# Altium PCB Drive Board.PcbDoc (part 2 of 2)
Units mil, origin at the board's own origin, x right, y up, seen from the top; angles counter-clockwise.
Board outline 16141.73 x 6299.21 mil, 2 copper layers (Top Layer, Bottom Layer), stack 61.2 mil thick; 231 components, 215 nets, 894 pads, 287 vias.
Unrouted connection lines stored in the file: 57.
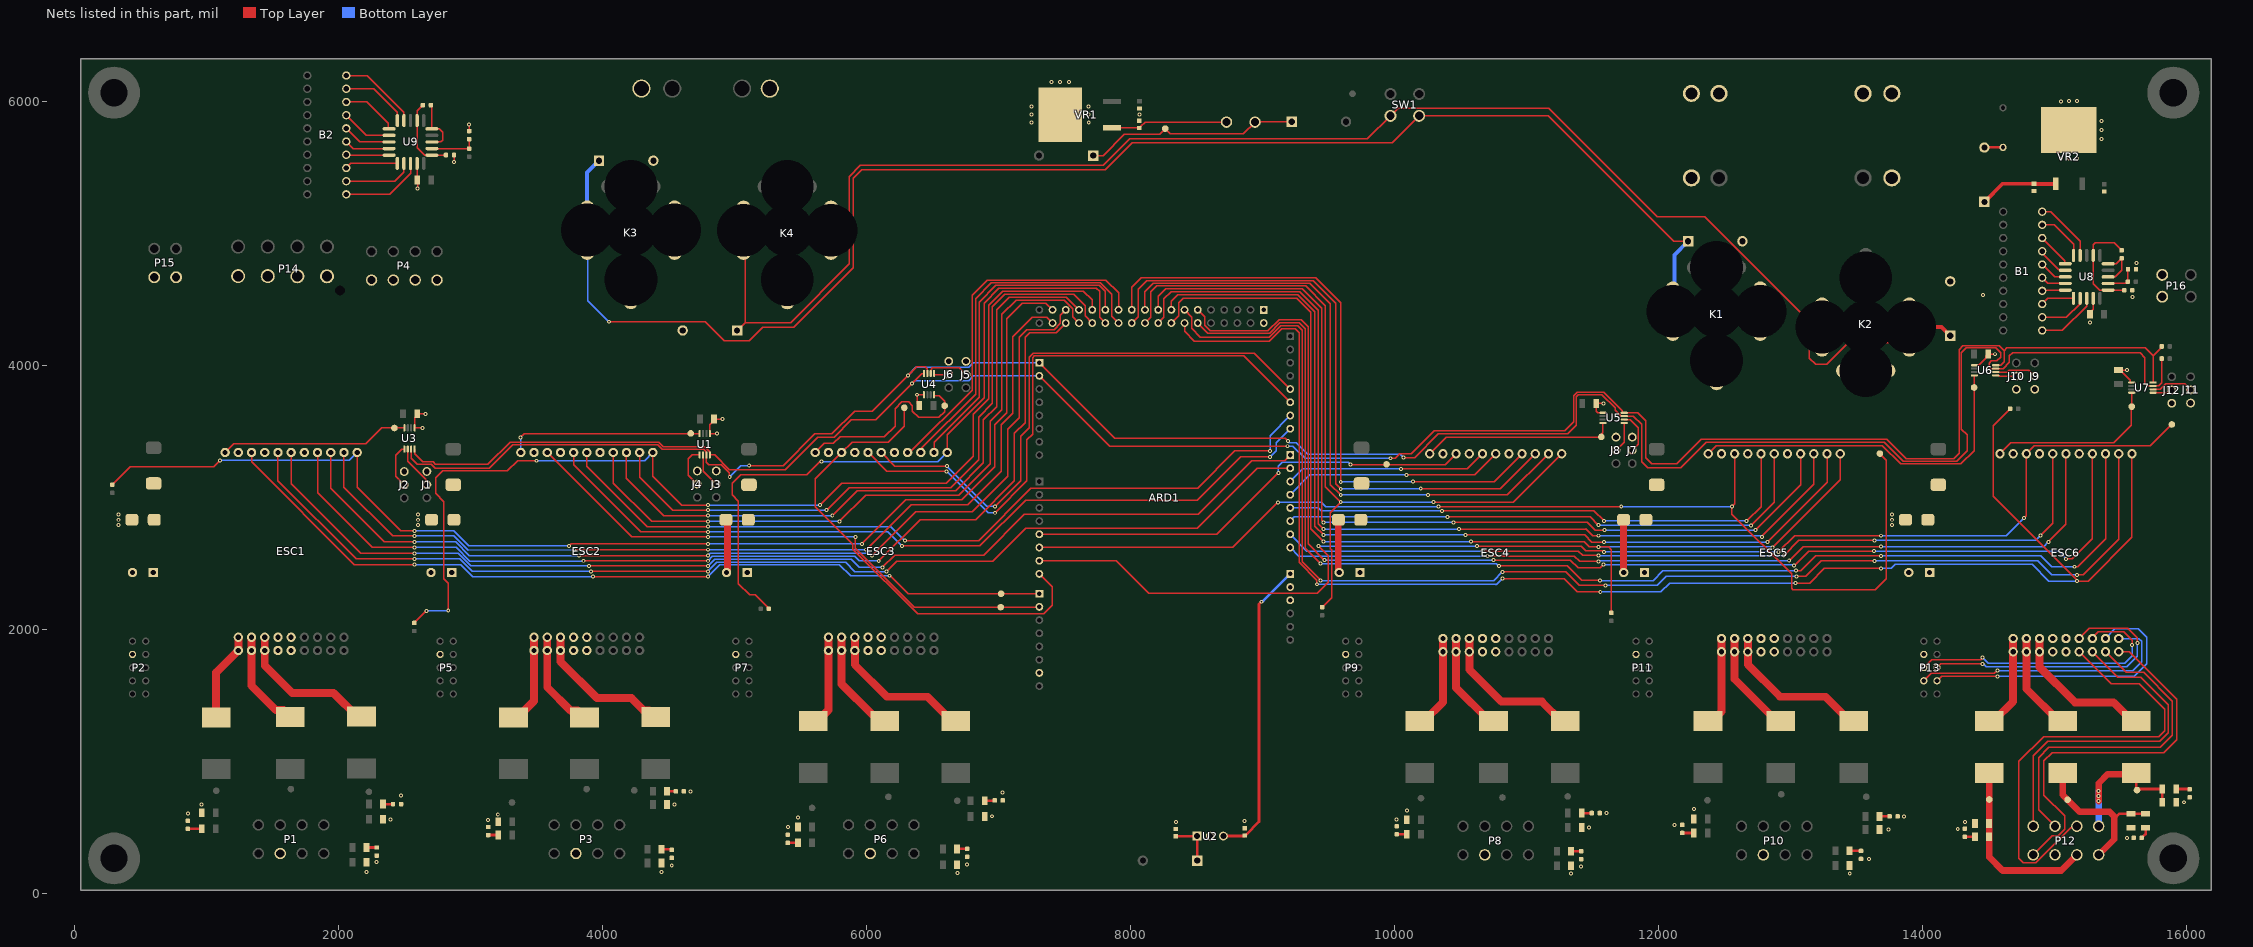
[diagram p2: the nets of this part, all layers, seen from the top]

## Via types
v1: diameter 30, hole 15, Top Layer to Bottom Layer, tented both sides, 283 vias
v2: diameter 118.11, hole 118.11, Top Layer to Bottom Layer, 4 vias

## Nets (pads, with @x,y where several pads share a name; then routed paths per layer and width w, separated by ;. In a path a pad name is that pad's centre, name@x,y a point inside that pad or via, vN(x,y) a via of type N, cw(c..) or ccw(c..) an arc to the next point about the centre after c; other vN are vias at no path point) (continued)
"E6 Ch A": ESC6.12 P13.6 | length 2246
  Top Layer w10: P13.6@14110,1710 14138,1738 v1@14460,1738 ; ESC6.12@15156.84,1930 15185,1930 15264,2009 15555,2009 15628,1936 v1(15628,1895)
  Bottom Layer w10: v1@14460,1738 14482,1716 15548,1716 15628,1796 v1(15628,1895)
  other v1: 14456,1738
"E6 Ch A\": ESC6.14 P13.5 | length 2147.3
  Top Layer w10: P13.5@14010,1710 14069.44,1769.44 14439.44,1769.44 v1(14456,1786) ; ESC6.14@15256.84,1930 15281,1930 15333,1982 15524,1982 15588,1918 v1(15588,1880)
  Bottom Layer w10: v1(14456,1786) 14498,1744 15532,1744 15588,1800 v1(15588,1880)
"E6 Ch B": ESC6.16 P13.8 | length 2239.9
  Top Layer w10: P13.8@14110,1610 14144,1644 v1(14567,1644) v1@14570,1644
  Bottom Layer w10: v1@14570,1644 15604,1644 15698,1738 15698,1939 15634,2003 15458,2003 15385,1930 ESC6.16@15356.84,1930
"E6 Ch B\": ESC6.18 P13.7 | length 2075.3
  Top Layer w10: P13.7@14010,1610 14066,1666 14545,1666 v1(14567,1688)
  Bottom Layer w10: v1(14567,1688) 15592,1688 15660,1756 15660,1909 15639,1930 ESC6.18@15486.84,1930 ESC6.18@15456.84,1930
"E6 H1": ESC6.13 P12.1 | length 2583.1
  Top Layer w10: P12.1@14838.81,508.27 14838.81,1040.81 14949,1151 15798,1151 15862,1215 15862,1429 15655,1636 15480.84,1636 ESC6.13@15286.84,1830
"E6 H2": ESC6.15 P12.2 | length 2573.7
  Top Layer w10: P12.2@15004.16,508.27 14880,632.43 14880,1029 14956,1105 15800,1105 15893,1198 15893,1455 15675,1673 15543.84,1673 ESC6.15@15386.84,1830
"E6 H3": ESC6.17 P12.5 | length 2865.4
  Top Layer w10: P12.5@14838.81,291.73 14984.07,437 15029,437 15076,484 15076,586 14920,742 14920,1003 14983,1066 15826,1066 15925,1165 15925,1471 15566,1830 ESC6.17@15486.84,1830
"E6 H Vcc": ESC6.11 P12.3 | length 3494.8
  Top Layer w10: P12.3@15169.51,508.27 15156.41,495.16 15121.86,495.16 14856.7,230 14765,230 14731,264 14731,1001 14918,1188 15790.56,1188 15834,1231.44 15834,1396 15643,1587 15429.84,1587 ESC6.11@15186.84,1830
"E6 W1": C51.2 C52.2 L16.2 P12.7 TP28.1 | length 1393.3
  Top Layer w50: L16.2@14507,913.15 14507,273 14607,173 15050.78,173 P12.7@15169.51,291.73
"E6 W2": C53.2 C54.2 L17.2 P12.8 TP31.1 | length 1200.3
  Top Layer w20: 15453,564 15492.15,603.15 C53.2@15580,603.15 C54.2@15690,603.15
  Top Layer w50: L17.2@15062.53,913.15 15062.53,745.47 TP31.1@15099,709 15191,617 15418,617 15453,582 ; P12.8@15334.87,291.73 15453,409.86 15453,564
"E6 W3": C55.2 C56.2 L18.2 P12.4 TP32.1 | length 1174.5
  Top Layer w20: L18.2@15620,913.15 15620,903 15620,787 15638.12,787 15641.12,790 C56.2@15816.85,790 C55.2@15816.85,690
  Top Layer w50: v1@15335,698 v1(15334.74,698.26) v1(15334.74,737.5) v1(15334.74,776.74) 15334.74,833.74 15404,903 15620,903 L18.2@15652,903
  Bottom Layer w50: P12.4@15334.87,508.27 v1@15334.87,776.74
GND: ARD1.57 ARD1.58 ARD1.76 ARD1.78 ARD1.79 C1.2 C2.2 C3.2 C4.2 C5.2 C6.1 C8.2 C9.1 C11.1 C13.1 C15.2 C16.2 C17.2 C18.1 C20.1 C21.1 C22.1 C24.1 C26.2 C27.1 C29.1 C30.1 C31.1 C33.1 C34.1 C35.2 C36.1 C38.1 C39.1 C40.1 C42.1 C44.2 C45.1 C47.1 C49.1 C51.1 C53.1 C55.1 D1.1 D5.1 D6.1 D7.1 D9.1 D10.1 D11.1 D12.1 D13.1 D14.1 ESC1.9 ESC1.10 ESC1.23 ESC1.26 ESC1.28 ESC2.9 ESC2.10 ESC2.23 ESC2.26 ESC2.28 ESC3.9 ESC3.10 ESC3.23 ESC3.26 ESC3.28 ESC4.9 ESC4.10 ESC4.23 ESC4.26 ESC4.28 ESC5.9 ESC5.10 ESC5.23 ESC5.26 ESC5.28 ESC6.9 ESC6.10 ESC6.23 ESC6.26 ESC6.28 J1.3 J2.3 J3.3 J4.3 J5.3 J6.3 J7.3 J8.3 J9.3 J10.3 J11.3 J12.3 K1.85 K2.85 K3.85 K4.85 P1.6 P2.3 P3.6 P4.5 P4.6 P4.7 P4.8 P5.3 P6.6 P7.3 P8.6 P9.3 P10.6 P11.3 P12.6 P13.3 P14.5 P14.6 P14.7 P14.8 P15.3 P15.4 P16.3 P16.4 R2.1 R3.1 R4.1 R5.1 R6.1 R9.1 R10.1 R11.1 R13.1 R14.1 R15.1 R17.1 R18.1 R19.1 R21.1 R22.1 R23.1 R25.1 R28.1 R30.1 R31.1 R33.1 TH7.1 TH8.1 TH11.1 TH12.1 U1.5 U2.2 U3.5 U4.5 U5.5 U6.5 U7.5 U8.2 U9.2 VR1.2 VR2.2 | length 2854.3
  Top Layer w10: U9.2@2596,5529.6 2596,5403.85 C34.1@2596.85,5403 2599,5400.85 v1(2599,5338) ; v1(2637.19,3526) 2636.48,3526.71 U3.5@2576.39,3526.71 2576.39,3601.43 2596.15,3621.19 C20.1@2596.15,3633 2659,3633 v1(2660,3632) ; R31.1@2875.51,5593 2875.51,5541.49 v1(2876,5541) ; R33.1@2990,5774.51 v1(2990,5823) ; v1(4869,3483) 4868.71,3482.71 U1.5@4813.39,3482.71 4813.39,3549.43 4845.15,3581.19 C21.1@4845.15,3593 4909,3593 v1(4910,3592) ; ESC3.26@5906,3345.84 ESC3.26@5911.84,3340 ; C39.1@6400.85,3695 6384.2,3711.65 6384.2,3728.13 6383,3729.32 v1(6383,3777) 6435.32,3777 U4.5@6435.61,3777.29 ; U5.5@11579.29,3640.39 11578.68,3641 11540,3641 11528.15,3652.85 C29.1@11528.15,3712 v1(11585,3712) ; U6.5@14393.29,4000.39 14427.39,4000.39 14480.5,4053.5 14480.5,4068.35 C30.1@14497.15,4085 14548,4085 v1(14549,4084) ; C33.1@15268.85,4389 15268.85,4398.17 15294,4423.32 U8.2@15294,4507.6 ; v1(15550,3966) 15548.15,3964.15 C38.1@15486,3964.15 15502.65,3947.5 15514.5,3947.5 15575.47,3886.53 15575.47,3872.16 15578.24,3869.39 U7.5@15585.29,3869.39
  Top Layer w50: D13.1@4935.35,2830 4947,2818.35 4947,2451.75 4943.99,2448.75 4943.99,2433.99 C17.2@4940,2430 ; D10.1@9575.35,2830 9575.35,2441.55 9581.26,2435.65 C26.2@9581.26,2430 ; D14.1@11735.35,2830 11735.35,2442.81 11742.52,2435.65 C35.2@11742.52,2430
  other v1: 11336,151 13449,151 6690,153 4448,160 2213,162 11414,203 4525,211 6762,217 2290,237 13594,261 15550,420 13741,483 14267,489 11475,498 5405,503 12120,518 14321,539 8344,541 8864,547 3134,554 2394,561 10017,561 5480,573 13861,583 6952,584 3207,599 859,606 11605,608 10095,628 12268,638 963,673 4546,673 15980,690 2474,741 7032,764 4666,773 333,2790 2603,2790 13769,2790 333,2830 2603,2830 13769,2830 333,2870 2603,2870 13769,2870 15269,4325 15591,4519 14460,4532 15620.24,4776.67 15048,5566.19 15109,5567.19 15171,5567.19 15356,5716.19 15356,5782.76 7250,5838 7684,5838 15356,5849.19 7249,5899 7683,5899 8067,5901 7249,5961 7683,5961 15048,6000.19 15109,6001.19 15171,6001.19 7401,6146 7467.43,6146 7534,6146
NetARD1_4: ARD1.4 ESC4.27 TP20.1 | length 3452.3
  Top Layer w10: ARD1.4@7310,2720 8654,2720 v1(9120,3186) ; v1(9666,3249) 9667,3248 10384.84,3248 ESC4.27@10466.84,3330
  Bottom Layer w10: v1(9120,3186) 9120,3235 9150,3265 9650,3265 v1(9666,3249)
NetARD1_5: ARD1.5 ESC5.27 TP25.1 | length 8347.7
  Top Layer w10: ARD1.5@7310,2620 8773.94,2620 v1(9116.47,2962.53) ; v1(10333,2930.25) v1(11718,2930.25) ; ESC5.27@12576.84,3330 12576.84,2952.84 12556,2932 v1(12556,2930.25) 12556,2873 13008,2421 13008,2310 13019,2299 13642,2299 13726,2383 13726,3282 TP25.1@13677,3331
  Bottom Layer w10: v1@9113,2966 v1(9116.47,2962.53) 9446.47,2962.53 9478.75,2930.25 v1(10333,2930.25) ; v1(11718,2930.25) v1(12556,2930.25)
NetARD1_6: ARD1.6 ESC6.27 TP30.1 | length 9779.8
  Top Layer w10: ARD1.6@7310,2520 7893,2520 8140,2273 9415,2273 9497,2355 9497,2558 v1(9425,2630) ; v1(10626,2630) 11416,2630 11449,2597 11572.14,2597 11583.14,2586 v1(11588,2586) ; v1(12909,2586) 13032,2709 v1(13684,2709) ; v1(14769,2844) 14786.84,2861.84 ESC6.27@14786.84,3330 14846.84,3390 15727,3390 TP30.1@15889,3552 TP30.1@15891.16,3554.16
  Bottom Layer w10: v1(9425,2630) v1(10626,2630) ; v1(11588,2586) v1(12909,2586) ; v1@13692,2709 14634,2709 v1(14769,2844)
NetARD1_7: ARD1.7 ESC3.27 TP15.1 | length 3647.6
  Top Layer w10: TP15.1@6287,3679 6287,3539 6167,3419 5890.84,3419 ESC3.27@5811.84,3340 5613,3141.16 5613,2929 5898,2644 5898,2607.54 6388.54,2117 7342,2117 7406.86,2181.86 7406.86,2323.14 ARD1.7@7310,2420
NetARD1_8: ARD1.8 ESC1.27 TP5.1 | length 6528.4
  Top Layer w10: ESC1.27@1341.84,3340 1341.84,3268.16 2119,2491 v1(2575,2491) ; v1(3927,2400) v1(4799,2400) ; v1(6173.6,2405.91) 6182.09,2405.91 6318,2270 TP5.1@7020,2270 ARD1.8@7310,2270
  Bottom Layer w10: v1(2575,2491) 2575.57,2490.43 2925.57,2490.43 3016,2400 v1(3927,2400) ; v1(4799,2400) 4889.43,2490.43 5795.57,2490.43 5880.09,2405.91 v1(6173.6,2405.91)
NetARD1_9: ARD1.9 ESC2.27 TP10.1 | length 4264.8
  Top Layer w10: ESC2.27@3581.84,3340 4220.84,2701 v1(4800,2701) ; v1(5916,2701) 5916,2615 6363,2168 TP10.1@7017,2168 7308,2168 ARD1.9@7310,2170
  Bottom Layer w10: v1(4800,2701) v1(5916,2701)
NetARD1_20: ARD1.20 R35.1 U1.4 U3.4 U4.4 U5.4 U6.4 U7.4 | length 16263.1
  Top Layer w10: U3.4@2576.39,3365.29 2576.39,3330.61 2639,3268 2717,3268 2735,3250 3133,3250 3300,3417 4426.46,3417 4461.46,3382 4776.34,3382 4808.8,3349.55 4808.8,3347.06 4813.39,3342.47 U1.4@4813.39,3321.29 4849.71,3321.29 4962,3209 5383,3209 5630,3456 5756,3456 5886,3586 6069,3586 v1(6345,3862) 6418.47,3935.47 6432.84,3935.47 6435.61,3938.24 U4.4@6435.61,3938.71 ; ARD1.20@7310,3920 7843,3387 v1(9191,3387) ; v1(9971,3296) 10006.08,3296 10041.08,3331 10128,3331 10301,3504 11289,3504 11359,3574 11359,3769.46 11384.54,3795 11586.09,3795 11724.67,3656.43 11724.67,3643.16 11727.44,3640.39 U5.4@11740.71,3640.39 11841.61,3640.39 11901.94,3580.06 11901.94,3299.06 11948,3253 12137,3253 12324,3440 13731,3440 13878.2,3292.8 14235.8,3292.8 14276.75,3333.75 14276.75,4119.75 14306.46,4149.46 14580.54,4149.46 14618,4112 ; U6.4@14554.71,4000.39 14592.39,4000.39 14618,4026 14618,4112 ; U7.4@15746.71,3869.39 15746.71,4073.29 ; R35.1@15804.49,4143 15804.49,4131.07 15746.71,4073.29 ; 14618,4112 14640,4134 15686,4134 15746.71,4073.29
  Bottom Layer w10: v1(6345,3862) 6366.54,3883.54 6773.25,3883.54 6809.71,3920 ARD1.20@7310,3920 ; v1(9191,3387) 9230,3387 9319,3298 9320,3299 9323,3296 v1(9971,3296)
NetARD1_21: ARD1.21 R34.1 U1.3 U3.3 U4.3 U5.3 U6.3 U7.3 | length 16952.9
  Top Layer w10: U3.3@2550.8,3365.29 2550.8,3295.2 2597,3249 2705,3249 2735,3219 3142,3219 3322,3399 4419,3399 4454,3364 4768.75,3364 4783.2,3349.55 4783.2,3347.06 4787.8,3342.47 U1.3@4787.8,3321.29 4787.8,3264.2 4805.54,3246.46 4899.08,3246.46 4959.61,3185.94 4959.61,3171.25 4960.51,3170.35 4960.51,3159.22 v1(4964.33,3155.39) ; v1(5112,3240) 5368,3240 5608,3480 5739,3480 5911,3652 6043,3652 v1(6315,3924) 6380,3989 6445,3989 6461.2,3972.8 U4.3@6461.2,3938.71 ; ARD1.21@7310,4020 7882,3448 9174,3448 v1(9192.26,3425.26) ; v1(10069,3301) 10153,3301 10332,3480 11311,3480 11377,3546 11377,3762 11392,3777 11572,3777 11671,3678 11671,3660.84 11712.45,3619.39 11714.94,3619.39 11719.53,3614.8 U5.3@11740.71,3614.8 11809.2,3614.8 11872,3552 11872,3270 11918,3224 12168,3224 12361,3417 13710,3417 13855,3272 14258,3272 14339,3353 14339,3473 14294.75,3517.25 14294.75,4095.6 14330.61,4131.46 14553.54,4131.46 14591,4094 14591,4063 14561,4033 14520,4033 14504,4017 14504,3988 14517.2,3974.8 U6.3@14554.71,3974.8 14610.8,3974.8 14659,4023 14659,4071 14684,4096 15648,4096 15685,4059 15685,3864 15705.2,3843.8 U7.3@15746.71,3843.8 15788.8,3843.8 15812.49,3867.49 R34.1@15812.49,4051
  Bottom Layer w10: v1@4967.5,3161.5 5046,3240 v1(5112,3240) ; v1(6315,3924) 6374.54,3983.54 6773.25,3983.54 6809.71,4020 ARD1.21@7310,4020 ; v1(9192.26,3425.26) 9202.53,3415 9255,3415 9344,3326 10044,3326 v1(10069,3301)
NetARD1_22: ARD1.22 ESC1.20 | length 7122.1
  Top Layer w10: ESC1.20@2041.84,3340 2041.84,3076.16 2410,2708 v1@2576,2708 ; v1(3783.4,2602.09) v1@4800.09,2602.09 ; v1(5998,2603) 6338,2943 6766,2943 7021,3198 7021,3548 7109,3636 7109,4217 7254.53,4362.53 7367.47,4362.53 ARD1.22@7410,4320
  Bottom Layer w10: v1@2576,2708 2874,2708 2984.29,2597.71 v1(3783.4,2602.09) ; v1(4800,2603) v1(5998,2603)
  other v1: 2575,2708
NetARD1_23: ARD1.23 ESC1.19 R1.1 | length 9056.9
  Top Layer w10: R1.1@287,3095.51 423.49,3232 1057,3232 v1(1104,3279) ; ESC1.19@2141.84,3340 2141.84,3076.16 2472,2746 v1(2575,2746) ; v1(3748,2632) 3764,2648 v1(4800,2648) ; v1(5965,2648) 6299,2982 6722,2982 6973,3233 6973,3550 7062,3639 7062,4351 7181,4470 7360,4470 ARD1.23@7410,4420
  Bottom Layer w10: v1(1104,3279) 2080.84,3279 ESC1.19@2141.84,3340 ; v1(2575,2746) 2873,2746 2987,2632 v1(3748,2632) ; v1(4800,2648) v1(5965,2648)
NetARD1_24: ARD1.24 ESC1.22 | length 7542.3
  Top Layer w10: ESC1.22@1841.84,3340 1841.84,3034.16 2256,2620 v1@2571,2620 ; v1(3856.09,2519.4) v1@4788.4,2519.4 ; v1(6093.11,2519) 6406.11,2832 6828,2832 7121,3125 7121,3484 7203,3566 7203,4214 7237,4248 7438,4248 ARD1.24@7510,4320
  Bottom Layer w10: v1(2575,2620) 2892,2620 2995,2517 3858.49,2517 v1(3856.09,2519.4) ; v1(4800,2519.4) 4833.6,2553 5913,2553 5947,2519 v1(6093.11,2519)
NetARD1_25: ARD1.25 ESC1.21 | length 7427.5
  Top Layer w10: ESC1.21@1941.84,3340 1941.84,3067.16 2347,2662 v1@2568,2662 ; v1(3821,2559) v1@4797,2559 ; v1(6041,2559) 6374,2892 6802,2892 7071,3161 7071,3516 7156,3601 7156,4213 7214,4271 7421.47,4271 7467.47,4317 7467.47,4377.47 ARD1.25@7510,4420
  Bottom Layer w10: v1(2575,2662) 2887,2662 2990,2559 v1(3821,2559) ; v1(4800,2559) 4816,2575 6025,2575 v1(6041,2559)
NetARD1_26: ARD1.26 ESC2.22 | length 5292.6
  Top Layer w10: ESC2.22@4081.84,3340 4081.84,3108.16 4373,2817 v1(4800,2817) ; v1(5795,2817) 5994,3016 6698,3016 6936,3254 6936,3576 7025,3665 7025,4385 7133,4493 7498,4493 7561,4430 7561,4369 ARD1.26@7610,4320
  Bottom Layer w10: v1(4800,2817) v1(5795,2817)
NetARD1_27: ARD1.27 ESC2.21 | length 5085.5
  Top Layer w10: ESC2.21@4181.84,3340 4181.84,3144.16 4465,2861 v1(4800,2861) ; v1(5741,2861) 5931,3051 6675,3051 6886,3262 6886,3587 6986,3687 6986,4420 7081,4515 7515,4515 ARD1.27@7610,4420
  Bottom Layer w10: v1(4800,2861) v1(5741,2861)
NetARD1_28: ARD1.28 ESC2.20 | length 5151.9
  Top Layer w10: ESC2.20@4281.84,3340 4281.84,3152.16 4531,2903 v1(4800,2903) ; v1(5699,2903) 5870,3074 6638,3074 6849,3285 6849,3608 6953,3712 6953,4445 7047,4539 7569,4539 7656,4452 7656,4374 ARD1.28@7710,4320
  Bottom Layer w10: v1(4800,2903) v1(5699,2903)
NetARD1_29: ARD1.29 ESC2.19 R7.1 | length 8041.3
  Top Layer w10: R7.1@2575,2048.51 v1(2667,2140.51) v1@2667,2141 ; v1(2832,2142) 2832,2350.52 2798.31,2384.21 2798.31,2967.69 2736,3030 2736,3147 2789,3200 3280,3200 3357,3277 v1(3501,3277) ; ESC2.19@4381.84,3340 4381.84,3161.16 4602,2941 v1(4800,2941) ; v1(5648,2941) 5812,3105 6603,3105 6810,3312 6810,3630 6927,3747 6927,4456 7033,4562 7644,4562 7710,4496 ARD1.29@7710,4420
  Bottom Layer w10: v1(2667,2140.51) 2830.51,2140.51 v1(2832,2142) ; v1(3501,3277) 4318.84,3277 ESC2.19@4381.84,3340 ; v1(4800,2941) v1(5648,2941)
NetARD1_30: ARD1.30 ESC3.19 R8.1 | length 5244.1
  Top Layer w10: R8.1@5254.51,2165 5157.51,2262 5115,2262 5030.43,2346.57 5030.43,2970.57 4982,3019 4982,3106 5047,3171 5547,3171 5646,3270 v1(5659,3270) ; ESC3.19@6611.84,3340 6611.84,3473.84 6891,3753 6891,4472 7004,4585 7742,4585 7767.47,4559.53 7767.47,4362.53 ARD1.30@7810,4320
  Bottom Layer w10: v1(5659,3270) 6541.84,3270 ESC3.19@6611.84,3340
NetARD1_31: ARD1.31 ESC3.20 | length 2449
  Top Layer w10: ESC3.20@6511.84,3340 6511.84,3416.84 6854,3759 6854,4479 6981,4606 7765,4606 7810,4561 ARD1.31@7810,4420
NetARD1_32: ARD1.32 ESC3.21 | length 2692.1
  Top Layer w10: ESC3.21@6411.84,3340 6411.84,3366.84 6827,3782 6827,4504 6947,4624 7772.46,4624 7858,4538.46 7858,4372 ARD1.32@7910,4320
NetARD1_33: ARD1.33 ESC3.22 | length 2729.3
  Top Layer w10: ESC3.22@6311.84,3340 6329.71,3340 6801,3811.29 6801,4531 6916,4646 7812,4646 7910,4548 ARD1.33@7910,4420
NetARD1_34: ARD1.34 ESC4.21 | length 4880
  Top Layer w10: ARD1.34@8010,4320 8059,4369 8059,4577 8124,4642 9386,4642 9556,4472 9556,3101 v1(9593,3064) ; v1(10199,3066) 10802.84,3066 ESC4.21@11066.84,3330
  Bottom Layer w10: v1@9592,3064 v1(9593,3064) 10197,3064 v1(10199,3066)
NetARD1_35: ARD1.35 ESC4.22 | length 4682.2
  Top Layer w10: ARD1.35@8010,4420 8010,4590 8083,4663 9405,4663 9593,4475 v1(9593,3117) ; v1(10141,3119) 10755.84,3119 ESC4.22@10966.84,3330
  Bottom Layer w10: v1@9592,3117 v1(9593,3117) 10139,3117 v1(10141,3119)
NetARD1_36: ARD1.36 ESC4.19 R12.1 | length 5882.7
  Top Layer w10: ARD1.36@8110,4320 8154,4364 8154,4556 8199,4601 9329,4601 9477,4453 9477,3080 v1(9593,2964) 9513.14,2884.14 9513.14,2610.86 9523,2601 9523,2238.33 R12.1@9452.15,2167.47 ; v1(10297,2964) 10900.84,2964 ESC4.19@11266.84,3330
  Bottom Layer w10: v1(9593,2964) v1(10297,2964)
NetARD1_37: ARD1.37 ESC4.20 | length 4819.1
  Top Layer w10: ARD1.37@8110,4420 8110,4557.96 8173.04,4621 9359,4621 9515,4465 9515,3096 v1(9593,3018) ; v1(10253,3018) 10854.84,3018 ESC4.20@11166.84,3330
  Bottom Layer w10: v1@9590,3018 v1(9593,3018) v1(10253,3018)
NetARD1_38: ARD1.38 ESC5.21 | length 7261.2
  Top Layer w10: ARD1.38@8210,4320 8252.53,4362.53 8252.53,4503.53 8308,4559 9281,4559 9423,4417 9423,2801 v1(9464,2760) ; v1(10490,2760) 11447,2760 11449,2762 11502,2709 v1(11545,2709) ; v1(12784,2701) 12784,2705 13176.84,3097.84 ESC5.21@13176.84,3330
  Bottom Layer w10: v1(9464,2760) v1(10490,2760) ; v1@11549,2709 12776,2709 v1(12784,2701)
NetARD1_39: ARD1.39 ESC5.22 | length 7071.6
  Top Layer w10: ARD1.39@8210,4420 8210,4524 8267,4581 9300,4581 9449,4432 9449,2825.86 9464,2810.86 v1(9464,2810) ; v1(10446,2810) 11462,2810 11520,2752 v1(11590,2752) ; v1(12734,2752) 13076.84,3094.84 ESC5.22@13076.84,3330
  Bottom Layer w10: v1@9463,2810 v1(9464,2810) v1(10446,2810) ; v1(11590,2752) v1(12734,2752)
NetARD1_40: ARD1.40 ESC5.19 R16.1 | length 7935.6
  Top Layer w10: ARD1.40@8310,4320 8364,4374 8364,4474 8399,4509 9258,4509 9366,4401 9366,2763 v1(9464,2665) ; v1(10579,2665) 11437,2665 11477,2625 v1(11545,2625) 11622,2625 11643,2604 R16.1@11643,2125.51 ; v1(12864.5,2621.5) 13376.84,3133.84 ESC5.19@13376.84,3330
  Bottom Layer w10: v1@9460,2665 v1(9464,2665) v1(10579,2665) ; v1@11552,2625 12861,2625 v1(12864.5,2621.5)
NetARD1_41: ARD1.41 ESC5.20 | length 7186.6
  Top Layer w10: ARD1.41@8310,4420 8310,4485 8359,4534 9269,4534 9397,4406 9397,2782 v1(9464,2715) ; v1(10537,2715) 11441,2715 11495,2661 v1(11588,2661) ; v1(12825,2661) 13276.84,3112.84 ESC5.20@13276.84,3330
  Bottom Layer w10: v1@9461,2715 v1(9464,2715) v1(10537,2715) ; v1(11588,2661) v1(12825,2661)
NetARD1_42: ARD1.42 ESC6.19 R20.1 | length 11740.9
  Top Layer w10: ARD1.42@8410,4320 8410,4257 8483,4184 9052.46,4184 9144.46,4276 9248,4276 9278,4246 9278,2507.54 9412.43,2373.11 v1(9412.43,2341.57) ; v1(10818,2384) 11286,2384 11386,2284 v1(11559,2284) ; v1(13039,2350) 13146,2350 13257,2461 v1(13684,2461) ; R20.1@14663.49,3671 14535,3542.51 14535,3007.4 15162.99,2379.41 15162.99,2378.42 15171,2370.41 v1(15171,2365) 15256,2365 15586.84,2695.84 ESC6.19@15586.84,3330
  Bottom Layer w10: v1(9412.43,2341.57) 10768.43,2341.57 10772,2338 v1(10818,2384) ; v1(11559,2284) 12019,2284 12085,2350 v1(13039,2350) ; v1(13684,2461) 13764,2461 13795,2492 14831,2492 14958,2365 v1(15171,2365)
NetARD1_43: ARD1.43 ESC6.20 | length 10024.8
  Top Layer w10: ARD1.43@8410,4420 8465,4365 8465,4279 8530,4214 9052,4214 9138,4300 9266,4300 9300,4266 9300,2511 v1(9440.72,2370.28) ; v1(10818,2435) 11297,2435 11399,2333 v1(11597,2333) ; v1(13047.19,2401.22) 13117.22,2401.22 13234,2518 v1(13637,2518) ; v1(15169,2413) 15218,2413 15486.84,2681.84 ESC6.20@15486.84,3330
  Bottom Layer w10: v1(9440.72,2370.28) 9441.43,2369.57 10752.57,2369.57 v1(10818,2435) ; v1(11597,2333) 11989,2333 12057.22,2401.22 v1(13047.19,2401.22) ; v1(13637,2518) 14874,2518 14979,2413 v1(15169,2413)
NetARD1_44: ARD1.44 ESC6.21 | length 9569.8
  Top Layer w10: ARD1.44@8510,4320 8586,4244 9053.46,4244 9130.46,4321 9280,4321 9324,4277 9324,2614 v1(9441,2497) ; v1(10793,2481) 11309,2481 11419.72,2370.28 v1(11555.72,2370.28) ; v1(13042,2444) 13078,2444 13190,2556 v1(13684,2556) ; v1(15152,2474) 15176,2474 15386.84,2684.84 ESC6.21@15386.84,3330
  Bottom Layer w10: v1(9441,2497) 10771.59,2497 10787.59,2481 v1(10793,2481) ; v1(11555.72,2370.28) 11557,2369 11959,2369 12034,2444 v1(13042,2444) ; v1@13681,2556 v1(13684,2556) 14896,2556 14978,2474 v1(15152,2474)
NetARD1_45: ARD1.45 ESC6.22 | length 9445.9
  Top Layer w10: ARD1.45@8510,4420 8562,4368 8562,4303 8603,4262 9041,4262 9126,4347 9292,4347 9345,4294 9345,2649 v1(9469,2525) ; v1(10749,2525) 11333,2525 11391,2467 11559.13,2467 v1(11582.57,2490.43) ; v1(13028,2483) 13137,2592 v1(13634,2592) ; v1(15088,2534) 15134,2534 15286.84,2686.84 ESC6.22@15286.84,3330
  Bottom Layer w10: v1(9469,2525) v1(10749,2525) ; v1(11582.57,2490.43) 13015.15,2490.43 13022.59,2483 v1(13028,2483) ; v1@13634,2591 15031,2591 v1(15088,2534)
NetARD1_59: ARD1.59 C4.1 U2.3 | length 2294.2
  Top Layer w20: U2.3@8704,434 8861.56,434 C4.1@8865,437.44 8870.75,443.19 8874.55,443.19 8974,542.64 8974,2191 v1(8992,2209)
  Bottom Layer w20: v1(8992,2209) 8994.71,2209 8999.71,2214 9004,2214 ARD1.59@9210,2420
NetARD1_60: ARD1.60 ESC6.24 | length 6563.8
  Top Layer w10: v1(10705,2555) 11362,2555 11402,2515 v1(11545,2515) ; v1(12990.5,2520.5) 13097,2627 v1(13684,2627) ; v1(14954,2663) 15086.84,2795.84 ESC6.24@15086.84,3330
  Bottom Layer w10: ARD1.60@9210,2620 9275,2555 9425,2555 v1(10705,2555) ; v1(11545,2515) 11548.43,2518.43 12988.43,2518.43 v1(12990.5,2520.5) ; v1@13691,2627 14918,2627 v1(14954,2663)
NetARD1_61: ARD1.61 ESC6.25 | length 6467.5
  Top Layer w10: v1(10668,2593) 11393,2593 11426,2560 v1(11545,2560) ; v1(12949,2558) 13064,2673 v1(13636,2673) ; v1(14895,2711) 14986.84,2802.84 ESC6.25@14986.84,3330
  Bottom Layer w10: ARD1.61@9210,2720 9337,2593 9396,2593 v1(10668,2593) ; v1@11550,2560 11552,2558 v1(12949,2558) ; v1(13636,2673) 14857,2673 v1(14895,2711)
NetARD1_62: ARD1.62 ESC5.24 | length 4145.2
  Top Layer w10: v1(10403,2852) 11483,2852 v1(11545,2790) ; v1(12702,2788) 12876.84,2962.84 ESC5.24@12876.84,3330
  Bottom Layer w10: ARD1.62@9210,2820 9242,2852 9433,2852 v1(10403,2852) ; v1@11546,2790 12700,2790 v1(12702,2788)
NetARD1_63: ARD1.63 ESC5.25 | length 4054.3
  Top Layer w10: v1(10361,2898) 11511,2898 v1(11588,2821) ; v1(12667,2821) 12670,2821 12776.84,2927.84 ESC5.25@12776.84,3330
  Bottom Layer w10: ARD1.63@9210,2920 9422,2920 9444,2898 v1(10361,2898) ; v1(11588,2821) v1(12667,2821)
NetARD1_64: ARD1.64 ESC4.24 | length 1685.2
  Top Layer w10: v1(10092,3170) 10606.84,3170 ESC4.24@10766.84,3330
  Bottom Layer w10: ARD1.64@9210,3020 9360,3170 v1(10092,3170)
NetARD1_65: ARD1.65 ESC4.25 | length 1543.8
  Top Layer w10: v1(10050,3215) 10551.84,3215 ESC4.25@10666.84,3330
  Bottom Layer w10: ARD1.65@9210,3120 9305,3215 v1(10050,3215)
NetARD1_66: ARD1.66 ESC1.25 | length 8549.3
  Top Layer w10: ESC1.25@1541.84,3340 1541.84,3127.16 2136,2533 v1(2575,2533) ; v1(3914,2439) v1(4798,2439) ; v1(6151,2438) 6230,2517 6958,2517 7208,2767 8507,2767 8960,3220 ARD1.66@9210,3220
  Bottom Layer w10: v1(2575,2533) 2919,2533 3013,2439 v1(3914,2439) ; v1(4798,2439) 4867.43,2508.43 5841.57,2508.43 5912,2438 v1@6145,2438 ; v1@6144,2437 v1@6145,2438 ; v1(6151,2438) v1@6145,2438
NetARD1_67: ARD1.67 ESC1.24 | length 8442.6
  Top Layer w10: ESC1.24@1641.84,3340 1641.84,3103.16 2169,2576 v1@2573,2576 ; v1(3897,2481) 4783,2481 ; v1(6121,2470) 6214,2563 6887,2563 7196,2872 8512,2872 8917,3277 9167,3277 ARD1.67@9210,3320
  Bottom Layer w10: v1(2575,2576) 2906,2576 3001,2481 v1(3897,2481) ; v1(4800,2481) 4801.62,2481 4852.62,2532 5884,2532 5946,2470 v1(6121,2470)
NetARD1_68: ARD1.68 ESC2.25 | length 6175.8
  Top Layer w10: ESC2.25@3781.84,3340 3781.84,3248.16 4291,2739 v1(4800,2739) ; v1(6269,2632) 6860,2632 7205,2977 8505,2977 8835,3307 v1@9055,3307
  Bottom Layer w10: v1(4800,2739) 6162,2739 v1(6269,2632) ; v1(9058,3307) 9103,3352 9103,3413 ARD1.68@9210,3520
NetARD1_69: ARD1.69 ESC2.24 | length 6128.1
  Top Layer w10: ESC2.24@3881.84,3340 3881.84,3234.16 4338,2778 v1(4800,2778) ; v1(6291,2672) 6849,2672 7246,3069 8508,3069 8790,3351 v1(9058,3351)
  Bottom Layer w10: v1(4800,2778) 6185,2778 v1(6291,2672) ; v1(9058,3351) 9058,3468 ARD1.69@9210,3620
NetARD1_70: ARD1.70 ESC3.25 | length 4548.3
  Top Layer w10: ESC3.25@6011.84,3340 6152.84,3199 6605,3199 v1(6608,3196) ; v1(6974,2883) 7216,3125 7216,3437 7258,3479 7258,4059 7271,4072 8858,4072 ARD1.70@9210,3720
  Bottom Layer w10: v1(6608,3196) 6921,2883 v1(6974,2883)
NetARD1_71: ARD1.71 ESC3.24 | length 4371.9
  Top Layer w10: ESC3.24@6111.84,3340 6215.84,3236 v1(6609,3236) ; v1(6975,2932) 7170,3127 7170,3463 7234,3527 7234,4063 7264,4093 8937,4093 ARD1.71@9210,3820
  Bottom Layer w10: v1(6609,3236) 6913,2932 v1(6975,2932)
NetB1_11: B1.11 U8.1 | length 473.3
  Top Layer w10: B1.11@14906.5,4264 15060,4264 15244,4448 U8.1@15244,4507.6
NetB1_12: B1.12 U8.20 | length 370.5
  Top Layer w10: B1.12@14906.5,4364 15090.63,4364 15194,4467.37 U8.20@15194,4507.6
NetB1_13: B1.13 U8.19 | length 255.6
  Top Layer w10: B1.13@14906.5,4464 14950.1,4507.6 U8.19@15144,4507.6
NetB1_14: B1.14 U8.18 | length 177.6
  Top Layer w10: B1.14@14906.5,4564 14912.5,4570 U8.18@15081.6,4570
NetB1_15: B1.15 U8.17 | length 193.3
  Top Layer w10: B1.15@14906.5,4664 14950.5,4620 U8.17@15081.6,4620
NetB1_16: B1.16 U8.16 | length 214
  Top Layer w10: B1.16@14906.5,4764 15000.5,4670 U8.16@15081.6,4670
NetB1_17: B1.17 U8.15 | length 243.8
  Top Layer w10: B1.17@14906.5,4864 14906.5,4849.66 14921.63,4834.53 14921.63,4833.37 15032.02,4722.98 15078.62,4722.98 U8.15@15081.6,4720
NetB1_18: B1.18 U8.14 | length 266.5
  Top Layer w10: B1.18@14906.5,4964 15078.56,4791.94 15078.56,4773.04 U8.14@15081.6,4770
NetB1_19: B1.19 U8.13 | length 383.6
  Top Layer w10: B1.19@14906.5,5064 14998,5064 15144,4918 U8.13@15144,4832.4
NetB1_20: B1.20 U8.12 | length 487.9
  Top Layer w10: B1.20@14906.5,5164 14970,5164 15194,4940 U8.12@15194,4832.4
NetB2_11: B2.11 U9.1 | length 628
  Top Layer w10: B2.11@2059.5,5295 2387,5295 2546,5454 U9.1@2546,5529.6
NetB2_12: B2.12 U9.20 | length 530.7
  Top Layer w10: B2.12@2059.5,5395 2427,5395 2496,5464 U9.20@2496,5529.6
NetB2_13: B2.13 U9.19 | length 400.8
  Top Layer w10: B2.13@2059.5,5495 2094.1,5529.6 U9.19@2446,5529.6
NetB2_14: B2.14 U9.18 | length 325.3
  Top Layer w10: B2.14@2059.5,5595 2062.5,5592 U9.18@2383.6,5592
NetB2_15: B2.15 U9.17 | length 346.1
  Top Layer w10: B2.15@2059.5,5695 2112.5,5642 U9.17@2383.6,5642
NetB2_16: B2.16 U9.16 | length 366.8
  Top Layer w10: B2.16@2059.5,5795 2162.5,5692 U9.16@2383.6,5692
NetB2_17: B2.17 U9.15 | length 387.5
  Top Layer w10: B2.17@2059.5,5895 2212.5,5742 U9.15@2383.6,5742
NetB2_18: B2.18 U9.14 | length 444.3
  Top Layer w10: B2.18@2059.5,5995 2216,5995 2377,5834 2377,5800.14 2368.86,5792 U9.14@2383.6,5792
NetB2_19: B2.19 U9.13 | length 522.8
  Top Layer w10: B2.19@2059.5,6095 2268,6095 2446,5917 U9.13@2446,5854.4
NetB2_20: B2.20 U9.12 | length 615.4
  Top Layer w10: B2.20@2059.5,6195 2220,6195 2496,5919 U9.12@2496,5854.4
NetC1_1: C1.1 SW2.2 VR1.1 | length 869.7
  Top Layer w10: VR1.1@7859.16,5799 8064.44,5799 C1.1@8066,5797.44 ; C1.1@8078.73,5810.17 8111.16,5842.6 SW2.2@8727.49,5842.6
NetC3_1: C3.1 D4.2 U2.1 | length 347.4
  Top Layer w20: C3.1@8344,432.44 8502.44,432.44 U2.1@8504,434 8505.91,432.09 D4.2@8505.91,248
NetC5_1: C5.1 D9.2 ESC1.7 ESC1.8 F1.2
NetC7_1: C7.1 R2.2 | length 105.9
  Top Layer w20: R2.2@859,488.49 C7.1@964.85,488.49
NetC8_1: C8.1 D12.2 ESC2.7 ESC2.8 F2.2
NetC10_1: C10.1 R3.2 | length 77.3
  Top Layer w20: C10.1@2213.15,346 2214.17,347.02 R3.2@2290,347.02
NetC12_1: C12.1 R4.2 | length 76.3
  Top Layer w20: C12.1@2337.15,676 R4.2@2413.49,676
NetC14_1: C14.1 R5.2 | length 77.1
  Top Layer w20: R5.2@3134,441.49 3134.51,442 C14.1@3210.85,442
NetC15_1: C15.1 D8.2 VR2.1 | length 597.1
  Top Layer w30: D8.2@14469,5238.09 14606.46,5375.56 C15.1@14845,5375.56 14845.28,5375.28 VR2.1@15009,5375.28
NetC17_1: C17.1 D13.2 ESC3.7 ESC3.8 F3.2
NetC19_1: C19.1 R6.2 | length 78.7
  Top Layer w20: C19.1@4448.15,334 4520.51,334 R6.2@4525,329.51
NetC23_1: C23.1 R9.2 | length 66.3
  Top Layer w20: C23.1@4489.15,773 R9.2@4555.49,773
NetC25_1: C25.1 R10.2 | length 77.1
  Top Layer w20: R10.2@5404,382.49 5404.51,383 C25.1@5480.85,383
NetC26_1: C26.1 D10.2 ESC4.7 ESC4.8 F4.2
NetC28_1: C28.1 R11.2 | length 77.1
  Top Layer w20: C28.1@6686.15,337 6762.49,337 R11.2@6763,337.51
NetC32_1: C32.1 R13.2 | length 77.6
  Top Layer w20: C32.1@6895.15,701.01 6968.5,701.01 R13.2@6971.49,704
NetC35_1: C35.1 D14.2 ESC5.7 ESC5.8 F5.2
NetC37_1: C37.1 R14.2 | length 77.1
  Top Layer w20: R14.2@10017,447.49 10093.34,447.49 C37.1@10093.85,448
NetC41_1: C41.1 R15.2 | length 77.1
  Top Layer w20: C41.1@11337.15,319 11337.66,319.51 R15.2@11414,319.51
NetC43_1: C43.1 R17.2 | length 76.3
  Top Layer w20: C43.1@11418.15,608 R17.2@11494.49,608
NetC44_1: C44.1 D11.2 ESC6.7 ESC6.8 F6.2
NetC46_1: C46.1 R18.2 | length 87.1
  Top Layer w20: R18.2@12180,457.49 12266.34,457.49 C46.1@12266.85,458
NetC48_1: C48.1 R19.2 | length 87.4
  Top Layer w20: C48.1@13447.15,322.84 13448.48,321.51 R19.2@13534,321.51
NetC50_1: C50.1 R21.2 | length 76.3
  Top Layer w20: C50.1@13674.15,583 R21.2@13750.49,583
NetC52_1: C52.1 R22.2 | length 77.1
  Top Layer w20: R22.2@14321,428.49 14321.51,429 C52.1@14397.85,429
NetC54_1: C54.1 R23.2 | length 89.6
  Top Layer w20: R23.2@15660.51,420 15660.51,420.98 15667.24,427.72 15668.23,427.72 15690,449.49 C54.1@15690,496.85
NetC56_1: C56.1 R25.2 | length 101.7
  Top Layer w20: C56.1@15923.15,790 16022,790 R25.2@16024,788
NetD1_2: D1.2 D6.2 K1.86 K3.86 SW1.2 | length 11659
  Top Layer w10: K3.86@3832.5,5024 K3.86@3888,4968.5 ; v1(4049,4330) 4780,4330 4922,4188 5114,4188 5215,4289 5449,4289 5901,4741 5901,5419 5965,5483 7808,5483 8012,5687 9983.54,5687 SW1.2@10186.54,5890 11165,5890 12114,4941 12198.49,4941 12211.49,4954 D6.2@12224.09,4954
  Bottom Layer w10: K3.86@3888,4968.5 3888,4491 v1(4049,4330)
  Bottom Layer w30: K3.86@3884.5,5024 3884.5,5460.41 D1.2@3974.09,5550 ; K1.86@12109,4410 12120,4421 12120,4835.91 D6.2@12224.09,4940
NetD2_2: D2.2 D3.2 SW2.1 TP1.1 | length 1641
  Top Layer w10: D3.2@7718.91,5589 7792,5589 7954,5751 8221.77,5751 TP1.1@8263.77,5793 8302.77,5754 8855.43,5754 SW2.1@8944.03,5842.6 8947.43,5846 D2.2@9221.09,5846
NetD5_2: D5.2 D7.2 K2.86 K4.86 SW1.4 | length 11959.4
  Top Layer w10: D7.2@5025.91,4270 5080,4324.09 ; K4.86@5080,4955.31 5080,4324.09 ; K2.86@13901,4290 13901,4272.05 13854.81,4225.86 13836.86,4225.86 13782,4171 13437,4171 13273,4007 13191,4007 13144,4054 13144,4334 12351,5127 11989,5127 11167.72,5948.28 10028.28,5948.28 SW1.4@9970,5890 9795,5715 7994,5715 7793,5514 5953,5514 5869,5430 5869,4768 5425.09,4324.09 5080,4324.09
  Top Layer w30: 13963,4290 14144.09,4290 D5.2@14210,4224.09
NetD8_1: D8.1 R24.2 | length 141.5
  Top Layer w20: D8.1@14469,5649.91 14470.09,5651 R24.2@14610,5651
NetESC1_1: ESC1.1 ESC1.2 L1.1 | length 675.7
  Top Layer w60: L1.1@1074,1333.85 1074,1672.16 ESC1.1@1241.84,1840 ESC1.2@1241.84,1940
NetESC1_3: ESC1.3 ESC1.4 L2.1 | length 757.9
  Top Layer w60: ESC1.4@1341.84,1940 ESC1.3@1341.84,1840 1341.84,1573.16 1527.36,1387.64 1584.21,1387.64 L2.1@1635,1336.85
NetESC1_5: ESC1.5 ESC1.6 L3.1 | length 1107.4
  Top Layer w60: ESC1.6@1441.84,1940 ESC1.5@1441.84,1840 1441.84,1726.16 1650,1518 1963.37,1518 2142.52,1338.85 L3.1@2175,1338.85
NetESC1_29: ESC1.29 TP4.1 U3.8 | length 1435.1
  Top Layer w10: ESC1.29@1141.84,3340 1206.84,3405 2206.84,3405 2328.55,3526.71 U3.8@2499.61,3526.71
NetESC2_1: ESC2.1 ESC2.2 L4.1 | length 689.7
  Top Layer w60: L4.1@3326,1333.85 3358.48,1333.85 3409.27,1384.64 3409.27,1385.27 3481.84,1457.84 ESC2.1@3481.84,1840 ESC2.2@3481.84,1940
NetESC2_3: ESC2.3 ESC2.4 L5.1 | length 755.2
  Top Layer w60: ESC2.4@3581.84,1940 ESC2.3@3581.84,1840 3581.84,1561.16 3758.36,1384.64 3813.21,1384.64 L5.1@3864,1333.85
NetESC2_5: ESC2.5 ESC2.6 L6.1 | length 1080.1
  Top Layer w60: ESC2.6@3681.84,1940 ESC2.5@3681.84,1840 3681.84,1755.16 3958,1479 4219,1479 4312.36,1385.64 4352.21,1385.64 L6.1@4403,1334.85
NetESC2_29: ESC2.29 TP9.1 U1.8 | length 1484.7
  Top Layer w10: v1(3379,3454) 3407.71,3482.71 4659,3482.71 U1.8@4736.61,3482.71
  Bottom Layer w10: v1(3379,3454) 3381.84,3451.16 ESC2.29@3381.84,3340
NetESC3_1: ESC3.1 ESC3.2 L7.1 | length 699.7
  Top Layer w60: L7.1@5597,1306.85 5629.48,1306.85 5711.84,1389.21 ESC3.1@5711.84,1840 ESC3.2@5711.84,1940
NetESC3_3: ESC3.3 ESC3.4 L8.1 | length 797.7
  Top Layer w60: ESC3.4@5811.84,1940 ESC3.3@5811.84,1840 5811.84,1586.16 6045.36,1352.64 6061.73,1352.64 6107.52,1306.85 L8.1@6140,1306.85
NetESC3_5: ESC3.5 ESC3.6 L9.1 | length 1149.2
  Top Layer w60: ESC3.6@5911.84,1940 ESC3.5@5911.84,1840 5911.84,1732.16 6155,1489 6462.37,1489 6644.52,1306.85 L9.1@6677,1306.85
NetESC3_29: ESC3.29 TP14.1 U4.8 | length 1480.7
  Top Layer w10: ESC3.29@5611.84,3340 5679.84,3408 5750,3408 5800,3458 6136,3458 6217,3539 6217,3672 6268,3723 6319,3723 6348,3694 6348,3653 6396,3605 6548,3605 6592,3649 TP14.1@6592,3694 6592,3727.28 6550.99,3768.29 U4.8@6514.39,3768.29
NetESC4_1: ESC4.1 ESC4.2 L10.1 | length 714.2
  Top Layer w60: L10.1@10193,1306.85 10225.48,1306.85 10366.84,1448.21 ESC4.1@10366.84,1830 ESC4.2@10366.84,1930
NetESC4_3: ESC4.3 ESC4.4 L11.1 | length 759.5
  Top Layer w60: ESC4.4@10466.84,1930 ESC4.3@10466.84,1830 10466.84,1557.53 10717.52,1306.85 L11.1@10750,1306.85
NetESC4_5: ESC4.5 ESC4.6 L12.1 | length 1122.3
  Top Layer w60: ESC4.6@10566.84,1930 ESC4.5@10566.84,1830 10566.84,1696.16 10811,1452 11116.37,1452 11261.52,1306.85 L12.1@11294,1306.85
NetESC4_29: ESC4.29 TP19.1 U5.8 | length 1453.5
  Top Layer w10: ESC4.29@10266.84,3330 10391.84,3455 11546.3,3455 11579.29,3487.99 U5.8@11579.29,3563.61
NetESC5_1: ESC5.1 ESC5.2 L13.1 | length 684.4
  Top Layer w60: L13.1@12375,1306.85 12407.48,1306.85 12476.84,1376.21 ESC5.1@12476.84,1830 ESC5.2@12476.84,1930
NetESC5_3: ESC5.3 ESC5.4 L14.1 | length 786.4
  Top Layer w60: ESC5.4@12576.84,1930 ESC5.3@12576.84,1830 12576.84,1622.53 12892.52,1306.85 L14.1@12925,1306.85
NetESC5_5: ESC5.5 ESC5.6 L15.1 | length 1176
  Top Layer w60: ESC5.6@12676.84,1930 ESC5.5@12676.84,1830 12676.84,1734.16 12922,1489 13265.37,1489 13447.52,1306.85 L15.1@13480,1306.85
NetESC5_29: ESC5.29 TP24.1 U6.8 | length 2709.6
  Top Layer w10: ESC5.29@12376.84,3330 12437.84,3391 13697,3391 13835,3253 14291,3253 14391,3353 TP24.1@14391,3832 14393.29,3834.29 U6.8@14393.29,3923.61
NetESC6_1: ESC6.1 ESC6.2 L16.1 | length 716.7
  Top Layer w60: L16.1@14507,1306.85 14539.48,1306.85 14686.84,1454.21 ESC6.1@14686.84,1830 ESC6.2@14686.84,1930
NetESC6_3: ESC6.3 ESC6.4 L17.1 | length 756.4
  Top Layer w60: ESC6.4@14786.84,1930 ESC6.3@14786.84,1830 14786.84,1550.06 15030.05,1306.85 L17.1@15062.53,1306.85
NetESC6_5: ESC6.5 ESC6.6 L18.1 | length 1117.1
  Top Layer w60: ESC6.6@14886.84,1930 ESC6.5@14886.84,1830 14886.84,1715.16 15155,1447 15447.37,1447 15587.52,1306.85 L18.1@15620,1306.85
NetESC6_29: ESC6.29 TP29.1 U7.8 | length 1332.6
  Top Layer w10: ESC6.29@14586.84,3330 14668.84,3412 15448,3412 15583,3547 15583,3669.71 15585.29,3672 15585.29,3697 U7.8@15585.29,3792.61
NetJ1_2: J1.2 U3.2 | length 329.3
  Top Layer w10: U3.2@2525.2,3365.29 2525.2,3275.08 2662.88,3137.41 2662.88,3103.12 J1.2@2670,3096
NetJ2_2: J2.2 U3.1 | length 336.7
  Top Layer w10: J2.2@2498,3095 2433,3160 2433,3319 2479.29,3365.29 U3.1@2499.61,3365.29
NetJ3_2: J3.2 U1.2 | length 262.6
  Top Layer w10: U1.2@4762.2,3321.29 4762.2,3300.11 4765.46,3296.85 4765.46,3196.54 J3.2@4862,3100
NetJ4_2: J4.2 U1.1 | length 319.3
  Top Layer w10: J4.2@4719,3100 4650,3169 4650,3292 4679.29,3321.29 U1.1@4736.61,3321.29
NetJ5_2: J5.2 U4.2 | length 330.2
  Top Layer w10: U4.2@6488.8,3929.71 6489.29,3930.21 6489.29,3970.29 6499,3980 6704,3980 J5.2@6754,3930
NetJ6_2: J6.2 U4.1 | length 118.7
  Top Layer w10: U4.1@6514.39,3929.71 6632.71,3929.71 J6.2@6633,3930
NetJ7_2: J7.2 U5.2 | length 322.5
  Top Layer w10: U5.2@11740.71,3589.2 11784.8,3589.2 11847.46,3526.54 11847.46,3402.46 J7.2@11801,3356
NetJ8_2: J8.2 U5.1 | length 233.6
  Top Layer w10: J8.2@11678,3356 11740.71,3418.71 U5.1@11740.71,3563.61
NetJ9_2: J9.2 U6.2 | length 321.9
  Top Layer w10: U6.2@14554.71,3949.2 14640.2,3949.2 14655.46,3964.46 14804.54,3964.46 J9.2@14851,3918
NetJ10_2: J10.2 U6.1 | length 158.6
  Top Layer w10: U6.1@14554.71,3923.61 14575.89,3923.61 14581.51,3918 J10.2@14711,3918
NetJ11_2: J11.2 U7.2 | length 320.2
  Top Layer w10: U7.2@15746.71,3818.2 15800.28,3818.2 15841.54,3859.46 15985.54,3859.46 J11.2@16031,3814
NetJ12_2: J12.2 U7.1 | length 149.7
  Top Layer w10: U7.1@15746.71,3792.61 15853.68,3792.61 15874.06,3813 J12.2@15888,3813
NetK1_30: K1.30 K2.87
NetK3_30: K3.30 K4.30
NetR26_1: R26.1 R30.2 U8.5 | length 249
  Top Layer w10: U8.5@15406.4,4620 15540.16,4620 15554.16,4634 R26.1@15555,4634 15555,4726.51 R30.2@15556.49,4728
NetR27_1: R27.1 R33.2 U9.5 | length 353.8
  Top Layer w10: U9.5@2708.4,5642 2708.89,5641.51 R27.1@2990,5641.51 R33.2@2990,5713.49
NetR28_2: R28.2 R29.1 U8.4 U8.10 | length 795.2
  Top Layer w10: R29.1@15509,4871.51 15451.51,4929 15310,4929 15294,4913 U8.10@15294,4832.4 15294,4618 15342,4570 U8.4@15406.4,4570 15527.49,4570 R28.2@15528.49,4569
NetR29_2: R29.2 U8.6 U8.8 | length 333.8
  Top Layer w10: U8.6@15406.4,4670 15407.47,4671.06 15461.06,4671.06 15509,4719 R29.2@15509,4810.49 15468.51,4770 U8.8@15406.4,4770
NetR31_2: R31.2 R32.1 U9.4 U9.10 | length 582.5
  Top Layer w10: R32.1@2639.49,5971 2596,5927.51 U9.10@2596,5854.4 2596,5649 2652.84,5592.16 2708.24,5592.16 U9.4@2708.4,5592 2709.4,5593 R31.2@2814.49,5593
NetR32_2: R32.2 U9.6 U9.8 | length 422.9
  Top Layer w10: R32.2@2700.51,5971 2708.4,5963.11 U9.8@2708.4,5792 2764.76,5792 2789.86,5766.9 2789.86,5704.86 2777,5692 U9.6@2708.4,5692
NetTH3_1: TH3.1 TH5.1
NetTH4_1: TH4.1 TH6.1
pads on no net: ARD1.0 ARD1.1 ARD1.2 ARD1.3 ARD1.10 ARD1.11 ARD1.12 ARD1.13 ARD1.14 ARD1.15 ARD1.16 ARD1.17 ARD1.18 ARD1.19 ARD1.46 ARD1.47 ARD1.48 ARD1.49 ARD1.50 ARD1.51 ARD1.52 ARD1.53 ARD1.54 ARD1.55 ARD1.56 ARD1.72 ARD1.73 ARD1.74 ARD1.75 ARD1.77 ARD1.80 ARD1.81 K1.87 K2.87a K3.87 K4.87 P2.1 P2.4 P2.9 P2.10 P5.1 P5.4 P5.9 P5.10 P7.1 P7.4 P7.9 P7.10 P9.1 P9.4 P9.9 P9.10 P11.1 P11.4 P11.9 P11.10 P13.1 P13.4 P13.9 P13.10 TH13.1 TH14.1 TH15.1 TH16.1 U8.7 U8.9 U9.7 U9.9
copper on no net:
  other v2: 9210,1170 7310,1220 7310,4170 9210,4420

## Polygon pours and split planes (outlines as drawn)
GND on Bottom Layer "Top Layer-No Net" (solid, remove dead copper, pour order 12): 46.84,24.31 46.84,6323.52 16188.57,6323.52 16188.57,24.31
NetK1_30 on Bottom Layer "Bottom Layer-NetK3_30" (solid, remove dead copper, pour order 11): 12160.5,4235.69 12260.5,4335.69 13660.5,4335.69 13810,4186.19 13810,3740 13700,3630 12316.19,3630 12160.5,3785.69
NetK3_30 on Bottom Layer "Bottom Layer-NetK3_30" (solid, remove dead copper, pour order 10): 5610,4820 5510,4920 4110,4920 4010,4820 4010,4340 4080,4270 5510,4270 5610,4370
GND on Top Layer "Top Layer-No Net1" (solid, remove dead copper, pour order 39): 46.84,24.31 46.84,6323.52 16188.57,6323.52 16188.57,24.31
37VP on Top Layer "Top Layer-37VP" (solid, remove dead copper, pour order 15): 12610,4570 13688,4570 14290,3968 14290,3270 14250,3230 9760,3230 9580,3410 9580,4250 9320,4510 7230,4510 6640,3920 6060,3920 5380,3240 180,3240 150,3240 90,3300 90,4130 470,4510 4880,4510 6257,5887 11243,5887 11770,5360
NetC17_1 on Top Layer "Top Layer-NetC17_1" (solid, remove dead copper, pour order 31): 5387,3187 5011,3187 4983,3159 4983,2384 5335,2032 5836,2032 5931,1937 5931,1793 5970,1754 6103,1754 6146,1797 6146,2428 5461,3113
NetC44_1 on Top Layer "Top Layer-NetC44_1" (solid, remove dead copper, pour order 37): 14397,3187 14021,3187 13993,3159 13993,2384 14345,2032 14846,2032 14941,1937 14941,1793 14980,1754 15113,1754 15156,1797 15156,2428 14471,3113
NetC35_1 on Top Layer "Top Layer-NetC35_1" (solid, remove dead copper, pour order 35): 12263,3187 11887,3187 11859,3159 11859,2384 12211,2032 12648,2032 12696,1984 12696,1803 12745,1754 12846,1754 12873,1781 12873,2577 12337,3113
NetC26_1 on Top Layer "Top Layer-NetC26_1" (solid, remove dead copper, pour order 33): 10027,3197 9651,3197 9623,3169 9623,2394 9975,2042 10476,2042 10571,1947 10571,1803 10610,1764 10743,1764 10786,1807 10786,2438 10101,3123
NetC5_1 on Top Layer "Top Layer-NetC5_1" (solid, remove dead copper, pour order 29): 877,3197 501,3197 473,3169 473,2394 825,2042 1326,2042 1421,1947 1421,1803 1460,1764 1593,1764 1636,1807 1636,2438 951,3123
NetC8_1 on Top Layer "Top Layer-NetC8_1" (solid, remove dead copper, pour order 27): 3147,3187 2771,3187 2743,3159 2743,2384 3095,2032 3596,2032 3691,1937 3691,1793 3730,1754 3863,1754 3906,1797 3906,2428 3221,3113
14.8VP on Top Layer "Top Layer-14.8VP" (solid, remove dead copper, pour order 17): 4725,4616 4637,4528 479,4528 298,4709 298,5650 971.52,6323.52 4121.48,6323.52 4844,5601 4844,4727
37VP_RAW on Top Layer "Top Layer-37VP_RAW" (solid, remove dead copper, pour order 14): 13650,5570 12450,5570 12350,5470 12350,5080 13040,4390 13740,4390 13830,4480 13830,5390
14.8VP_RAW on Top Layer "Top Layer-14.8VP_RAW" (solid, remove dead copper, pour order 13): 4386.93,5600 4386.93,6210 4426.93,6250 5166.93,6250 5216.93,6200 5216.93,5886.07 5746.93,5356.07 5746.93,4780 5636.93,4670 4946.93,4670 4756.93,4860 4756.93,5230
NetTH3_1 on Top Layer "Top Layer-NetTH4_1" (solid, remove dead copper, pour order 2): 13647.09,6160.08 14162.92,6160.08 14256,6067 14256,5353 14173.08,5270.08 13687.58,5270.08 13597.09,5360.58 13597.09,6110.08
NetTH4_1 on Top Layer "Top Layer-NetTH4_1" (solid, remove dead copper, pour order 3): 12316,6160 11781,6160 11700,6079 11700,5528 11958,5270 12270,5270 12385,5385 12385,6091

## Other copper
Top Layer:
  region net NetARD1_20: 10021,3299
  region net NetARD1_6: 9425,2630
  pour cut-out: 2402.64,5823 2683,5823 2683,5561 2401.33,5561
  pour cut-out: 15142,4772 15339,4772 15339,4573 15141,4573
  pour cut-out: 2598,3399 2598,3498 2477,3498 2477,3399
  pour cut-out: 4835,3355 4835,3454 4714,3454 4714,3355
  pour cut-out: 6414,3910 6414,3811 6535,3811 6535,3910
  pour cut-out: 11702,3662 11603,3662 11603,3541 11702,3541
  pour cut-out: 14521,4022 14422,4022 14422,3901 14521,3901
  pour cut-out: 15713,3891 15614,3891 15614,3770 15713,3770

## Silkscreen, mask and mechanical layers (free items; w line width, h text height)
Top Overlay:
  lines w20: 4106.3,5782.48 4106.3,6261.81 4684.06,6261.81 4684.06,5782.48 4106.3,5782.48 ; 4869.26,5782.48 5447.01,5782.48 5447.01,6261.81 4869.26,6261.81 4869.26,5782.48 ; 12062.3,5106.02 12062.3,5585.35 12640.06,5585.35 12640.06,5106.02 12062.3,5106.02 ; 12062.3,5746.06 12062.3,6225.39 12640.06,6225.39 12640.06,5746.06 12062.3,5746.06 ; 13360.53,5106.02 13360.53,5585.35 13938.29,5585.35 13938.29,5106.02 13360.53,5106.02 ; 13360.53,5746.06 13360.53,6225.39 13938.29,6225.39 13938.29,5746.06 13360.53,5746.06
  lines w30: 2733,65 2733,970 2489,1214 2489,2860 2552,2923 2735,2923 2759,2947 2759,3766 ; 4858,61 4888,91 4888,1177 4734,1331 4734,2792 4869,2927 4926,2927 4975,2976 4975,3787 ; 7106,4303 7106,1102 7200,1008 7200,84 ; 9318,73 9318,3884 ; 11807,66 11807,1160 11663,1304 11542,1425 11542,2805 11542,2835 11783,3076 11877,3170 11877,3975 ; 13884,3827 13884,3302 13678,3096 13678,2023 13826,1875 13826,1274 13969,1131 13969,62
  text "-" at 4257.87,5881.89 h200
  text "-" at 5246.06,5881.89 h200
  text "+" at 4491.14,5873.03 h200
  text "+" at 5009.84,5866.14 h200
  text "-" at 12439.11,5845.47 h200
  text "+" at 12202.89,5829.72 h200
  text "-" at 13520,5830 h200
  text "+" at 13730,5820 h200
  text "4S BATTERY 1" at 4080,5680 h100
  text "4S BATTERY 2" at 4860,5680 h100
  text "5S BATTERY 4" at 12040,5650 h100
  text "5S BATTERY 3" at 13340,5650 h100
  text "DISCONNECT IF LOW POWER BOARD" at 14803,5628 h60 r90
  text "WIRE CAREFULLY" at 13090,5280 h100 r90
  text "-" at 12220,5220 h200
  text "-" at 13737.34,5205.43 h200
  text "+" at 12420,5200 h200
  text "+" at 13501.12,5189.68 h200
  text "TO ARM" at 1412,5054 h100
  text "TO LOW POWER" at 2170,5025 h100
  text "5S BATTERY 2" at 12050,5010 h100
  text "5S BATTERY 1" at 13370,5010 h100
  text "TO SCIENCE" at 421,4993 h100
  text "FROM LOW POWER" at 16011,4903 h100 r90
  text "5V" at 14925,3999 h60
  text "5V" at 14593,3998 h60
  text "GND" at 6866,3984 h60 r90
  text "5V" at 16143,3892 h60 r90
  text "5V" at 15826,3888 h60 r90
  text "5V" at 6858,3797 h60 r90
  text "GND" at 14921,3787 h60
  text "GND" at 16134,3647 h60 r90
  text "GND" at 11830,3531 h60 r90
  text "GND" at 2690,3331 h60 r90
  text "GND" at 4908,3275 h60 r90
  text "5V" at 11620,3150 h60 r90
  text "5V" at 4673,2883 h60 r90
  text "5V" at 2461,2877 h60 r90
  text "MOTOR 1" at 1451,73 h100
  text "MOTOR 2" at 3702,73 h100
  text "MOTOR 3" at 5945,73 h100
  text "MOTOR 4" at 10573,73 h100
  text "MOTOR 5" at 12678,73 h100
  text "MOTOR 6" at 14885,73 h100
Mechanical 1:
  the board outline again, w0.5

## Dimensions
46.84,6323.52 to 46.84,24.31 on Dimmensions (Mech7)
46.84,6323.52 to 16188.57,6323.52 on Dimmensions (Mech7)